# Altium PCB S6 V1.2.PcbDoc (part 2 of 3)
Units mil, origin at the board's own origin, x right, y up, seen from the top; angles counter-clockwise.
Board outline 4627.34 x 3435.24 mil, 4 copper layers (Top, GND, Power, Bottom), stack 65.004 mil thick; 231 components, 249 nets, 1013 pads, 463 vias.
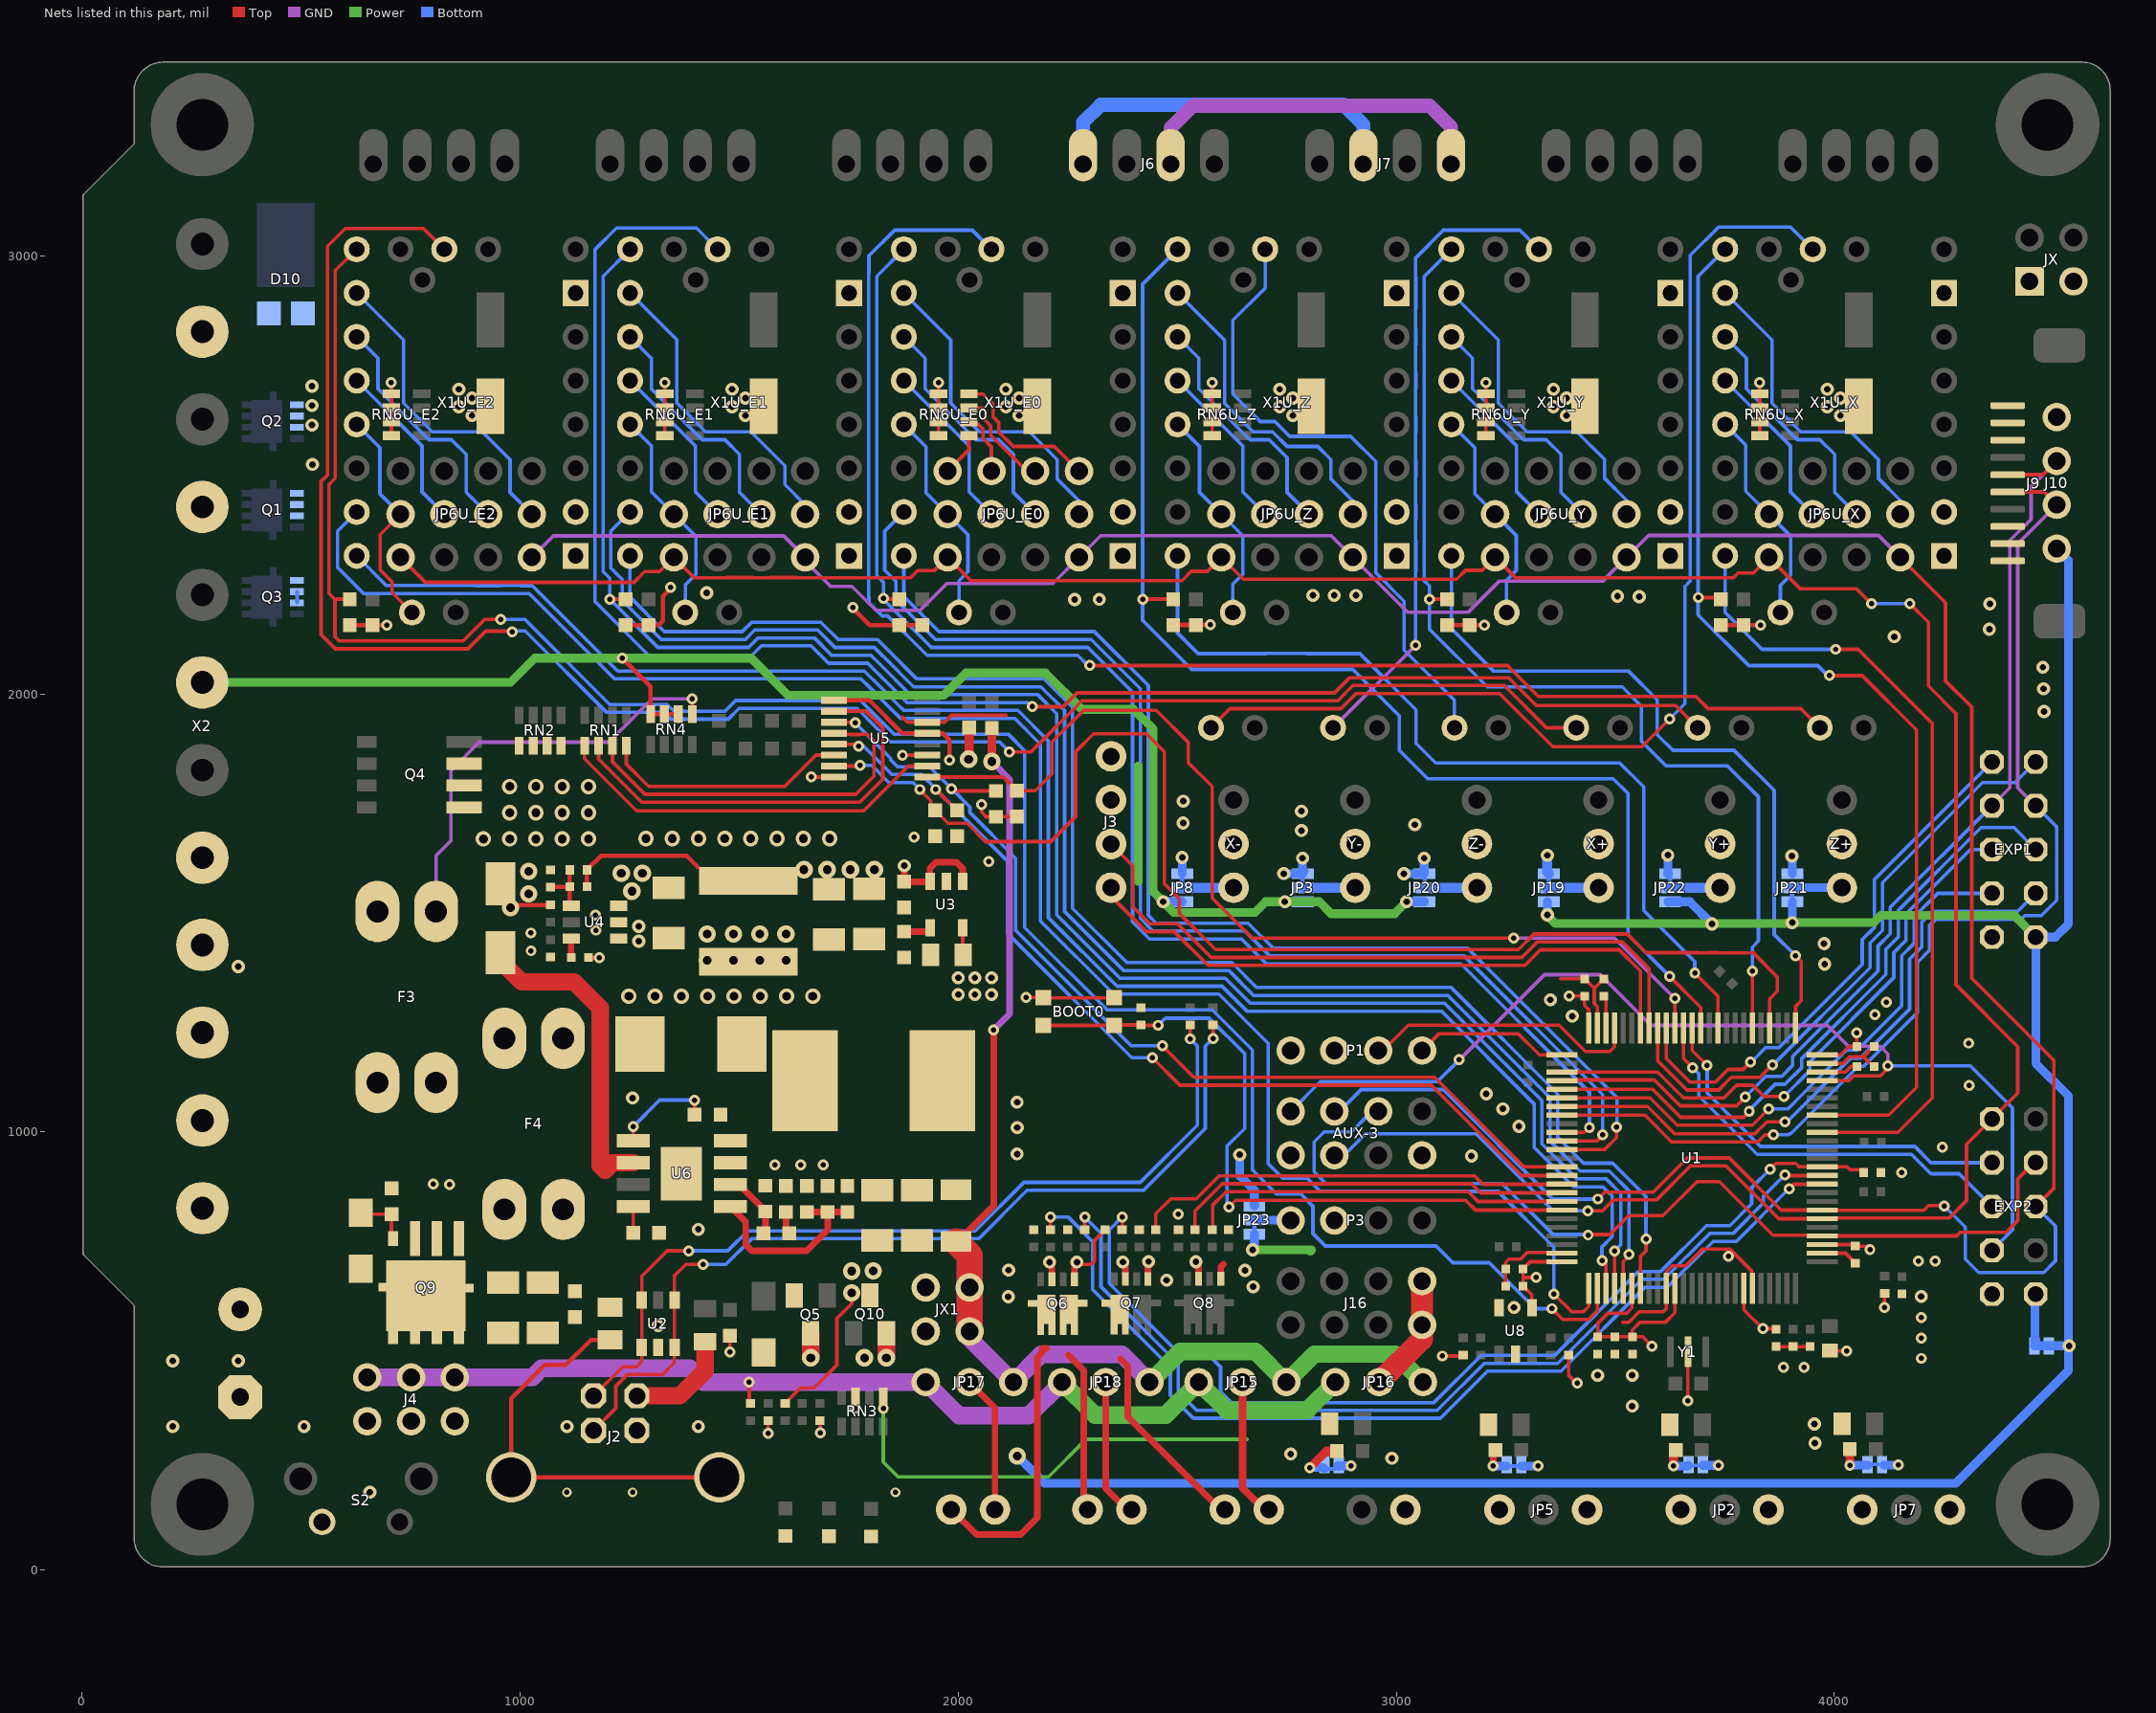
[diagram p4: the nets of this part, all layers, seen from the top]

## Via types
v1: diameter 25, hole 12, Top to Bottom, tented both sides, 192 vias
v2: diameter 30, hole 15, Top to Bottom, tented both sides, 157 vias
v3: diameter 35, hole 20, Top to Bottom, tented both sides, 60 vias
v4: diameter 40, hole 20, Top to Bottom, tented both sides, 31 vias
v5: diameter 40, hole 25, Top to Bottom, tented both sides, 20 vias
v6: diameter 22, hole 12, Top to Bottom, tented both sides, 3 vias

## Nets (pads, with @x,y where several pads share a name; then routed paths per layer and width w, separated by ;. In a path a pad name is that pad's centre, name@x,y a point inside that pad or via, vN(x,y) a via of type N, cw(c..) or ccw(c..) an arc to the next point about the centre after c; other vN are vias at no path point) (continued)
+3.3V: BOOT0.3 BOOT0.4 C5.2 C6.2 C15.2 C18.2 C26.2 C27.2 C29.2 C30.2 C31.2 C43.2 FB1.1 JP2.1 JP3.1 JP3.2 JP5.1 JP7.1 JP8.1 JP8.2 JP11.1 JP11.2 JP12.1 JP12.2 JP13.1 JP13.2 JP14.1 JP14.2 JP19.1 JP19.2 JP20.1 JP20.2 JP21.1 JP22.1 JP22.2 JP23.1 JP23.2 P1.4 P3.4 R1U_E0.2 R1U_E1.2 R1U_E2.2 R1U_X.2 R1U_Y.2 R1U_Z.2 R5.2 R7.1 R10.1 R11.2 R12.2 R13.2 R24U_E0.2 R24U_E1.2 R24U_E2.2 R24U_X.2 R24U_Y.2 R24U_Z.2 R38.2 RN3.5 RN6U_E0.5 RN6U_E0.6 RN6U_E0.7 RN6U_E0.8 RN6U_E1.5 RN6U_E1.6 RN6U_E1.7 RN6U_E1.8 RN6U_E2.5 RN6U_E2.6 RN6U_E2.7 RN6U_E2.8 RN6U_X.5 RN6U_X.6 RN6U_X.7 RN6U_X.8 RN6U_Y.5 RN6U_Y.6 RN6U_Y.7 RN6U_Y.8 RN6U_Z.5 RN6U_Z.6 RN6U_Z.7 RN6U_Z.8 U1.6 U1.11 U1.19 U1.28 U1.50 U1.75 U1.100 U3.5 U5.1 U5.13 U8.4 X1U_E0.10 X1U_E1.10 X1U_E2.10 X1U_X.10 X1U_Y.10 X1U_Z.10 X+.1 X-.1 Y+.1 Y-.1 Z-.1 | length 6710.9
  Top w8: RN6U_E2.8@706,2589.76 RN6U_E2.7@706,2621.25 RN6U_E2.6@706,2653 RN6U_E2.5@706,2685 v1(706,2711) ; RN6U_E1.8@1330,2589.76 RN6U_E1.7@1330,2621.25 RN6U_E1.6@1330,2653 RN6U_E1.5@1330,2685 v1(1330,2711) ; RN6U_E0.8@1955,2589.76 RN6U_E0.7@1955,2621.25 RN6U_E0.6@1955,2653 RN6U_E0.5@1955,2685 v1(1955,2711) ; U3.5@2010.4,1465.85 2010.4,1406 C18.2@2011.4,1405 ; v1(2154.97,1307) 2193.88,1307 BOOT0.3@2194.38,1306.5 BOOT0.4@2355.8,1306.5 ; RN6U_Z.8@2580,2589.76 RN6U_Z.7@2580,2621.25 RN6U_Z.6@2580,2653 RN6U_Z.5@2580,2685 v1(2580,2711) ; R5.2@2864,271.53 R5.2@2864.47,272 ; v1(3105,488.68) 3150.37,488.68 R10.1@3153,491.32 ; RN6U_Y.8@3205,2589.76 RN6U_Y.7@3205,2621.25 RN6U_Y.6@3205,2653 RN6U_Y.5@3205,2685 v1(3205,2711) ; C43.2@3288.68,649 C43.2@3289.68,648 3289.68,667.87 ; C43.2@3291.68,646 3309.93,627.76 U8.4@3309.93,598.82 ; v1(3319.87,667.87) 3289.68,667.87 ; U1.100@3378.39,703.78 3305.72,703.78 C31.2@3289.68,687.74 3289.68,667.87 ; R7.1@3394,490.98 3394,444 v1@3411.39,426.61 ; v1(3394.63,1310.32) C29.2@3430,1310.32 3430,1288.86 3439.41,1279.45 U1.75@3439.41,1237.24 ; U1.6@3537.83,642.76 3537.83,598.21 3525.75,586.13 3482.95,586.13 3460,563.18 C26.2@3460,532.68 C27.2@3499,532.68 C15.2@3539,532.68 ; v1(3584,511) 3562.31,532.68 C15.2@3539,532.68 ; R11.2@3633,268.53 R11.2@3638.47,274 ; U1.11@3636.26,642.76 3636.26,587.47 3614.79,566 3557,566 3539,548 C15.2@3539,532.68 ; U1.19@3793.74,642.76 3793.74,594.26 v1(3837,551) C30.2@3868,551 ; RN6U_X.8@3830,2589.76 RN6U_X.7@3830,2621.25 RN6U_X.6@3830,2653 RN6U_X.5@3830,2685 v1(3830,2711) ; U1.28@3972.87,743.15 C6.2@4045.32,743.15 ; U1.50@3972.87,1176.22 4014.22,1176.22 4033,1195 C5.2@4051.31,1195 v1(4051.31,1227) ; FB1.1@3990,501.44 3991.44,500 v1(4028,500) ; C6.2@4048,739.68 4073.69,739.68 v1(4081.37,732) ; v1(4115,600) R13.2@4115,631.41
  Top w10: R1U_E2.2@611,2157.47 R24U_E2.2@663,2157.47 v1@693.48,2157.47 ; R1U_E1.2@1241,2157.47 R24U_E1.2@1293,2157.47 1316.65,2157.47 1326,2166.83 1326,2223.25 1343.12,2240.37 v1(1343.12,2243.02) ; U5.1@1716.7,1985.5 1797.28,1985.5 1872.28,1910.5 U5.13@1929.3,1910.5 1965.32,1910.5 1980.51,1895.32 v1(1980.51,1849) v1@1980.51,1844 ; v1(1760,2198) 1760,2195 1797.53,2157.47 R1U_E0.2@1866,2157.47 R24U_E0.2@1918,2157.47 ; R24U_Z.2@2543,2157.47 R1U_Z.2@2491,2157.47 2491.53,2158 v1(2576,2158) ; R1U_Y.2@3116,2157.47 R24U_Y.2@3168,2157.47 v1(3201.53,2157.47) ; R1U_X.2@3741,2157.47 R24U_X.2@3793,2157.47 v1(3831.53,2157.47)
  Top w15: v1(3221.31,237.53) 3221.31,268.84 R12.2@3226.47,274
  Top w20: v1(2803,234) 2841,272 R5.2@2864.47,272 ; v1(3633,237.53) R11.2@3633,268.53 ; v1(4035.47,239.53) R38.2@4035.47,276
  Power w8: v1(1829,369.26) 1829,246.8 1862.8,213 2206.46,213 2291.89,298.43 2659.01,298.43
  Power w20: 2411,1572.46 2411,1835.5 ; v2(2672,731) 2800.9,731 2803.9,728 2806.4,730.5
  Bottom w8: JP14.2@2836,231 2859.94,231 2866.94,238 2866.94,233.06 JP14.1@2869,231 ; JP13.2@3252.53,237.53 3270.53,237.53 ; 3271.41,237.53 JP13.1@3285.53,237.53 ; v1@3630,237.53 v1(3633,237.53) ; JP12.2@3667,239 JP12.1@3700,239 ; v1(3736,239) v1@3739,239 ; JP11.2@4077.53,239.53 4079,241 JP11.1@4109,241 4112,241 JP11.1@4113.21,239.79
  Bottom w10: JP8.2@2511.31,1557 2511.31,1557.69 JP8.1@2511.31,1589 ; JP23.1@2676,767 JP23.2@2676,799 ; P3.4@2758,797 P3.4@2759,798 ; JP3.2@2786.8,1557.69 JP3.1@2786.8,1589.69 ; JP20.2@3064.6,1557.69 JP20.1@3064.6,1589.69 ; JP19.2@3348.4,1557.69 JP19.1@3348.4,1589.69 ; JP22.2@3625.2,1557.69 JP22.1@3625.2,1589.69
  Bottom w15: JP8.1@2510.61,1589.69 JP8.1@2511.31,1590.39 ; JP8.1@2511.31,1589 JP8.1@2512,1589.69 ; JP3.1@2787.49,1590.39 JP3.1@2792.11,1595 ; JP20.1@3064,1591.68 JP20.1@3064.6,1591.08
  Bottom w20: JP8.1@2511.31,1590.39 v2@2511.31,1624.09 ; v2(2672,731) 2672,732.5 2676,736.5 JP23.1@2676,767 ; JP23.2@2676,799 2758,799 P3.4@2759,798 ; v2@2741.49,1589.69 JP3.1@2786.8,1589.69 ; JP3.1@2786.11,1590.39 v2@2786.11,1619.26 ; v1(2803,234) 2833,234 JP14.2@2836,231 ; JP14.1@2866.94,238 v1(2897,238) ; v2@3023.6,1589.69 JP20.1@3064.6,1589.69 ; JP20.1@3063.91,1590.39 v2@3063.91,1619.26 ; v1@3227.31,237.53 JP13.2@3252.53,237.53 ; JP13.1@3285.53,237.53 v1(3323.47,237.53) ; v2(3620,1632) 3620,1591.89 3619,1590.89 JP22.1@3620.89,1589 ; v1(3633,237.53) 3665.53,237.53 JP12.2@3667,239 ; JP12.1@3700,239 v1(3736,239) ; v2(3903.38,1630.01) 3904,1629.39 JP21.1@3904,1589.69 ; v1(4035.47,239.53) JP11.2@4077.53,239.53 ; JP11.1@4113.21,239.79 v1(4146,239.79)
  Bottom w23: JP8.2@2509,1557.69 2511.31,1557.69 JP8.2@2512,1557.69 X-.1@2628.74,1557.69 ; JP3.2@2786.8,1557.69 Y-.1@2906.48,1557.69 ; JP20.2@3064.6,1557.69 Z-.1@3184.21,1557.69 ; v2@3342,1631.8 v2@3345,1628.8 ; JP19.2@3342.4,1557.69 JP19.2@3348.4,1557.69 X+.1@3461.95,1557.69 ; v2(3345,1631.8) v2@3345,1628.8 ; JP19.1@3348.4,1589.69 3345,1593.09 v2@3345,1628.8 ; JP22.2@3620.89,1557.69 JP22.2@3625.2,1557.69 Y+.1@3739.69,1557.69
  other v1: 3413.39,426.61 695.48,2157.47
  other v2: 2000.12,1314 2038.12,1314 2076.12,1314 2000.12,1352 2038.12,1352 2076.12,1352 2743,1590 3017.6,1589.69 2786.11,1625.26 3063.91,1625.26 2511.31,1627.09
+5V: AUX-3.1 C17.2 EXP1.1 EXP2.1 J3.3 J9.1 J9.2 J9.3 J10.1 JP4.1 JP4.2 JP19.3 JP21.2 JP21.3 JP22.3 JP23.3 Q5.3 Q10.2 R22.1 RN3.7 U3.1 U3.3 Z+.1 | length 6785.3
  Top w15: v2(1876.79,1607.93) C17.2@1876.79,1571.39 1934.84,1571.39 U3.3@1935.6,1572.15 1935.6,1602.29 1949.31,1616 1996,1616 2010.4,1601.6 U3.1@2010.4,1572.15
  Top w20: v1(1765.25,369) RN3.7@1765.25,397 ; v4(2024,1850.99) 2025.01,1852 R22.1@2025.01,1923.39
  Top w40: v4@1663.35,487.25 Q5.3@1663.35,540.39 ; v4@1836.09,487.56 Q10.2@1836.09,540.69
  Power w20: v2(3345,1496) 3345,1494.09 3363.09,1476 3894,1476 3896,1478 v2(3904,1478) 4089.82,1478 4106.82,1495 4410,1495 EXP1.1@4460,1445
  Bottom w10: JP21.3@3904,1525.69 JP21.2@3904,1557.69
  Bottom w20: v4(2135,260.38) 2197.38,198 4277,198 4535,456 v2@4535,512 ; v2(2643,948.21) 2643,900 2676,867 JP23.3@2676,831 JP23.3@2678,833 ; v2(3345,1496) 3345,1525.29 JP19.3@3345.4,1525.69 ; JP22.3@3620.2,1525.69 JP22.3@3622,1523.89 ; JP22.3@3625.2,1525.69 3670.31,1525.69 v2(3720.88,1475.12) v2@3720.88,1474 ; v2(3904,1478) JP21.3@3904,1525.69 ; JP21.2@3904,1557.69 Z+.1@4017.43,1557.69 ; JP4.1@4457,512 JP4.1@4458,512 ; EXP2.1@4460,630 4458,628 JP4.1@4458,512 ; J10.1@4508,2332 4535,2305 4535,1475 4505,1445 EXP1.1@4460,1445 4460,1156.99 4535,1081.99 v2@4535,512 ; v2(4536.31,512) v2@4535,512 ; JP4.1@4458,512 JP4.2@4490,512 v2@4535,512
  other v4: 1663.35,484.56 1786,484.56 1836.09,484.56
+12V/5A: F1.2 JP15.3 JP16.3 JP17.3 JP18.3 JX1.2 JX1.4 R20.1 | length 2714.5
  Top w15: F1.2@1996.81,748.13 2081,832.32 v1(2081,1233.26)
  Top w20: v4(2077,1846) R20.1@2077,1921.92
  Top w60: F1.2@1995,749.94 1996.81,748.13 2026,718.94 JX1.2@2026,645 JX1.4@2026,545
  GND w15: v4(2077,1846) 2117.7,1805.3 2117.7,1269.96 v1(2081,1233.26)
  GND w40: JX1.4@2026,545 2026,529 JP17.3@2126,429 2189.4,492.4 2373.6,492.4 JP18.3@2437,429
  Power w40: JP18.3@2437,429 2507,499 2679,499 JP15.3@2749,429 2813,493 2997,493 JP16.3@3061,429
+24V: C4.1 C21.2 C22.1 C24.1 D3.1 D6.2 D10.1 J4.1 J4.3 J4.5 JP3.3 JP8.3 JP15.1 JP16.1 JP17.1 JP18.1 JP20.3 Q9.5 Q9.6 Q9.7 Q9.8 R49.2 RN4.6 RN4.7 RN4.8 U6.2 X2.2 X2.4 X2.6 | length 6846.2
  Top w8: v1(1523,429) 1523,383.68 R49.2@1526,380.68
  Top w10: v1(1232.85,2081.89) 1297.76,2016.99 RN4.8@1297.76,1954 RN4.7@1329.25,1954 RN4.6@1361,1954
  Top w40: D3.1@955,1409.26 955,1391 1003,1343 1123,1343 1183,1283 1183,924 1194,913 1211,930 U6.2@1258.54,930
  GND w40: J4.5@651,440 J4.3@751,440 J4.1@851,440 1028,440 1049,461 1387,461 1419,429 v1(1523,429) JP17.1@1926,429 2002,353 2161,353 JP18.1@2237,429
  Power w20: X2.6@274.41,2026.33 977.85,2026.33 1033.41,2081.89 v1(1232.85,2081.89) 1527.58,2081.89 1612.47,1997 1966.66,1997 2017.94,2048.28 2198.95,2048.28 2282.22,1965 2400,1965 2445.21,1919.79 2445.21,1548.49 v2(2468,1525.69) 2492.59,1501.11 2677.41,1501.11 2702,1525.69 v2(2745.8,1525.69) 2824.31,1525.69 2851.5,1498.5 2996.41,1498.5 v2(3023.6,1525.69)
  Power w40: JP18.1@2237,429 2312,354 2474,354 JP15.1@2549,429 2613,365 2797,365 JP16.1@2861,429
  Bottom w20: v2(2468,1525.69) JP8.3@2512,1525.69 ; v2(2745.8,1525.69) JP3.3@2786.8,1525.69 ; v2(3023.6,1525.69) JP20.3@3064.6,1525.69
+24V-BED: F3.2 RN4.5 X2.8 | length 996.4
  Top w8: RN4.5@1393,1954 v1(1393,1988.85) v1@1393,1995.85
  GND w8: F3.2@808,1503.55 808,1631.21 842,1665.21 842,1825.32 906.68,1890 1202.4,1890 1301.25,1988.85 v1(1393,1988.85)
BED: RN1.5 U5.10 | length 903.6
  Top w8: RN1.5@1147,1882 1147,1852.26 1265.94,1733.32 1784.32,1733.32 1886.5,1835.5 U5.10@1929.3,1835.5
BEEP: EXP1.10 U1.66 | length 1235.3
  Top w8: U1.66@3616.57,1237.24 3616.57,1168.15 3670.72,1114 3728.54,1114 3757.54,1143 3792,1143 v1(3809,1160)
  Bottom w8: v1(3809,1160) 3811,1160 3844,1193 3874.57,1193 4064,1382.43 4064,1439.54 4092,1467.54 4092,1577 EXP1.10@4360,1845
BOOT0: BOOT0.1 BOOT0.2 R33.2 U1.94 | length 1644.6
  Top w8: BOOT0.1@2194.38,1243.5 BOOT0.2@2355.8,1243.5 2356.73,1244.43 R33.2@2417.38,1244.43 2418.31,1243.5 v1(2456.15,1243.5) ; v1(2618,829.28) 2633.2,844.48 3158.45,844.48 3181.04,821.89 U1.94@3378.39,821.89
  Bottom w8: v1(2456.15,1243.5) 2472.65,1260 2572.75,1260 2654,1178.75 2654,1008.24 2614,968.24 2614,833.28 v1(2618,829.28)
CD: AUX-3.2 EXP2.4 U1.47 | length 2426
  Top w8: U1.47@3972.87,1117.17 4033.17,1117.17 4044.16,1128.16 4105.5,1128.16 4122.43,1145.08 v1(4122.43,1151)
  GND w8: v1(3144,1165) 3338.39,1359.39 3465.93,1359.39 3581.83,1243.5 3984.5,1243.5 4032,1196 4105.16,1196 4122.43,1178.74 v1(4122.43,1151)
  Bottom w8: AUX-3.2@2759,1047 2827,1115 3094,1115 v1(3144,1165) ; v1@4127.43,1151 4310.92,1151 4406.77,1055.15 4406.77,776.77 EXP2.4@4360,730
CFG0U_E0: JP1U_E0.1 JP6U_E0.4 X1U_E0.5 | length 498.4
  Bottom w8: X1U_E0.5@1875.9,2615.32 1927,2564.22 1927,2459.22 JP6U_E0.4@1975.9,2410.32 2022.38,2363.84 2022.38,2279.38 2002,2259 JP1U_E0.1@2002,2186
CFG0U_E1: JP1U_E1.1 JP6U_E1.4 X1U_E1.5 | length 501.4
  Bottom w8: X1U_E1.5@1250.9,2615.32 1300,2566.22 1300,2461.22 JP6U_E1.4@1350.9,2410.32 1401,2360.22 1401,2272.82 1377,2248.82 JP1U_E1.1@1377,2186
CFG0U_E2: JP1U_E2.1 JP6U_E2.4 X1U_E2.5 | length 532.1
  Top w8: JP6U_E2.4@726.9,2410.32 680.42,2363.84 680.42,2283.27 707.65,2256.04 707.65,2231.35 747,2192 759,2192 JP1U_E2.1@753,2186
  Bottom w8: X1U_E2.5@626.9,2615.32 680,2562.22 680,2457.22 JP6U_E2.4@726.9,2410.32
CFG0U_X: JP1U_X.1 JP6U_X.4 X1U_X.5 | length 500.8
  Bottom w8: X1U_X.5@3750.9,2615.32 3798,2568.22 3798,2463.22 JP6U_X.4@3850.9,2410.32 3900.22,2361 3900.22,2270.84 3877,2247.62 JP1U_X.1@3877,2186
CFG0U_Y: JP1U_Y.1 JP6U_Y.4 X1U_Y.5 | length 499.8
  Bottom w8: X1U_Y.5@3125.9,2615.32 3179.42,2561.8 3179.42,2456.8 JP6U_Y.4@3225.9,2410.32 3274,2362.22 3274,2282 3252,2260 JP1U_Y.1@3252,2186
CFG0U_Z: JP1U_Z.1 JP6U_Z.4 X1U_Z.5 | length 500.6
  Bottom w8: X1U_Z.5@2500.9,2615.32 2551,2565.22 2551,2460.22 JP6U_Z.4@2600.9,2410.32 2650,2361.22 2650,2273.54 2627,2250.54 JP1U_Z.1@2627,2186
D9/TX1: J3.2 U1.68 | length 1566.4
  Top w8: J3.2@2349,1657.69 2398.76,1607.93 2398.76,1514.1 2437.17,1475.69 2500.68,1475.69 2577.87,1398.5 3286.43,1398.5 3321.93,1434 3516.4,1434 3577.2,1373.2 U1.68@3577.2,1237.24
D10/RX1: J3.1 U1.69 | length 1458.2
  Top w8: J3.1@2349,1557.69 2349,1538.41 2429.71,1457.69 2493.22,1457.69 2570.42,1380.5 3293.89,1380.5 3329.39,1416 3508.95,1416 3557.52,1367.43 U1.69@3557.52,1237.24
D13/SWDIO: P1.2 U1.72 | length 639.8
  Top w8: P1.2@2959,1175 3028,1244 3372,1244 3432,1184 3487.57,1184 3498.46,1194.9 U1.72@3498.46,1237.24
D14/SWCLK: P1.1 U1.76 | length 354.9
  Top w8: P1.1@3059,1186 3097,1224 3279.09,1224 3326.87,1176.22 U1.76@3378.39,1176.22
D53: AUX-3.6 EXP2.7 U1.29 | length 2171.9
  Top w8: v1@3442,766 3487.89,766 3530.89,809 3608.99,809 3686.79,886.79 3737.68,886.79 3859.96,764.52 3971.19,764.52 U1.29@3972.87,762.83 4278.83,762.83 4287,771 4392,771 4419,798 4419,893 4456,930 EXP2.7@4460,930
  Bottom w8: AUX-3.6@2959,1036 2933.19,1036 2897.65,1000.46 2835.46,1000.46 2812.52,977.52 2812.52,909.48 2839.48,882.52 3241.48,882.52 3358,766 v1@3442,766
  other v1: 3438,765
D+: J2.3 R16.1 U2.3 U2.4 | length 2071.6
  Top w8: J2.3@1167.56,318.85 1218.36,369.65 1218.36,419.81 1244.85,446.3 1324.66,446.3 1352.4,474.04 U2.3@1352.4,508.12 U2.4@1352.4,616.39 1352.4,672.11 1378.14,697.85 v1(1417.86,697.85) ; v1(2581.69,1213.58) R16.1@2581.69,1244.9
  Bottom w8: v1(1417.86,697.85) 1469.85,697.85 1528.49,756.49 2046.81,756.49 2157.32,867 2423.06,867 2564.25,1008.19 2564.25,1196.14 v1(2581.69,1213.58)
D-: J2.2 R15.1 U2.1 U2.6 | length 1983.9
  Top w8: J2.2@1167.56,397.85 1234.01,464.3 1265.71,464.3 1277.6,476.19 U2.1@1277.6,508.12 U2.6@1277.6,616.39 1277.6,670.78 1335.62,728.8 v1(1384.6,728.8) ; v1(2529.84,1212.84) R15.1@2529.84,1244.16
  Bottom w8: v1(1384.6,728.8) 1473.98,728.8 1519.66,774.49 2039.36,774.49 2149.87,885 2415.61,885 2546.25,1015.64 2546.25,1196.43 v1(2529.84,1212.84)
DC5V: C9.1 C12.1 C16.1 L1.2 Q10.3 R9.1 R46.2 | length 649.4
  Top w8: R46.2@1604.9,380.84 1640.06,416 1671,416 1723,468 1723,574.5 1757,608.5 v4(1757,633)
  Top w10: C9.1@1152.68,1560 R9.1@1152.68,1598.68 1185,1631 1380,1631 1406,1605
  other v4: 1757,682.57 1806,683 1647.9,1599 1700.9,1599 1753.9,1599 1808.9,1599
DIAG1U_E0: J21.1 X1U_E0.19 | length 3405.6
  Top w8: v1(2300,2065) 2304.69,2065 2307.69,2062 2310.69,2065 3254,2065 3324.37,1994.63 3683.9,1994.63 3712,1966.53 3806.21,1966.53 ; 3806.23,1966.5 3923.5,1966.5 J21.1@3967,1923
  Bottom w8: X1U_E0.19@2075.9,3015.32 2032.18,3059.03 1855.03,3059.03 1796.18,3000.18 1796.18,2961.06 1796,2960.87 1796,2221.19 1796.18,2221.01 1796.18,2208.52 1826.23,2178.47 1838.72,2178.47 1928.72,2088.47 2273.22,2088.47 2296.69,2065 v1(2300,2065)
DIAG1U_E1: J22.1 X1U_E1.19 | length 3834.1
  Top w8: v1(2169,1971) 2239.36,1971 2239.61,1970.75 2271.39,2002.53 2859.03,2002.53 2893.84,2037.34 3256.21,2037.34 3319.54,1974 3637.18,1974 J22.1@3688.18,1923
  Bottom w8: X1U_E1.19@1450.9,3015.32 1402.22,3064 1220,3064 1171.18,3015.18 1171.18,2210.69 1293.4,2088.47 1529.23,2088.47 1550.75,2110 1664.18,2110 1703.7,2070.47 1793.25,2070.47 1813.22,2050.5 ; 1813.26,2050.5 1881.5,1982.26 1883.25,1980.47 2159.53,1980.47 v1(2169,1971) v1@2169.25,1970.75
DIAG1U_E2: J23.1 X1U_E2.19 | length 4326.8
  Top w8: X1U_E2.19@826.9,3015.32 779.4,3062.82 600.82,3062.82 560,3022 560,2499.82 545.5,2485.32 545.5,2135.96 578.46,2103 881,2103 921.5,2143.5 978.93,2143.5 v1@979.43,2144 ; v1(2117,1868.07) 2166.24,1868.07 2282.7,1984.53 2866.48,1984.53 2901.29,2019.34 3246.66,2019.34 3343,1923 J23.1@3411,1923
  Bottom w8: v1@981.43,2144 1011.54,2144 1197.54,1958 1328.46,1958 1343.96,1942.5 1474.96,1942.5 1499.46,1967 1769.44,1967 1775.94,1960.5 ; 1775.98,1960.5 1791.5,1944.98 ; 1791.5,1944.94 1845.97,1890.47 2094.6,1890.47 v1(2117,1868.07)
  other v1: 981.43,2142
DIAG1U_X: J18.1 X1U_X.19 | length 2561.7
  Top w8: J18.1@2577,1923 2620.53,1966.53 2873.94,1966.53 2908.75,2001.34 3235.52,2001.34 3357.38,1879.47 3560.7,1879.47 v1(3624.22,1943)
  Bottom w8: v1(3624.22,1943) 3659,1977.78 3659,2245.82 3671.18,2258 3671.18,3001.24 3735.94,3066 3900.22,3066 X1U_X.19@3950.9,3015.32
DIAG1U_Y: J20.1 X1U_Y.19 | length 1477.4
  GND w8: J20.1@2856,1923 v1(3044.47,2111.47)
  Bottom w8: v1(3044.47,2111.47) 3044.47,2279.65 3044.62,2279.8 3044.62,2350.83 3044.47,2350.98 3044.47,2397.06 3044.62,2397.21 3044.62,2433.42 3044.47,2433.58 3044.47,2497.06 3044.62,2497.21 3044.62,2533.42 3044.47,2533.58 3044.47,2597.06 3044.62,2597.21 3044.62,2633.42 3044.47,2633.58 3044.47,2697.06 3044.62,2697.21 3044.62,2733.42 3044.47,2733.58 3044.47,2797.06 3044.62,2797.21 3044.62,2833.42 3044.47,2833.58 3044.47,2879.65 3044.62,2879.8 3044.62,2950.83 3044.47,2950.98 3044.47,2995.71 3107.79,3059.03 3282.18,3059.03 X1U_Y.19@3325.9,3015.32
DIAG1U_Z: J19.1 X1U_Z.19 | length 1433.4
  Bottom w8: X1U_Z.19@2700.9,3015.32 2700.9,2926.9 2627,2853 2627,2684.63 2689.63,2622 2723,2622 2757,2588 2895.9,2588 2953.4,2530.5 2953.4,2276.6 3017.97,2212.03 3017.97,2100.49 3133,1985.46 J19.1@3133,1923
DIRU_E0: U1.87 X1U_E0.8 | length 2728.1
  Top w8: U1.87@3378.39,959.69 3475.16,959.69 3503,987.52 v1@3503,1008
  Bottom w8: X1U_E0.8@1875.9,2315.32 1875.9,2222.62 1956.05,2142.47 2310.92,2142.47 2434,2019.39 2434,1494.92 2452.04,1476.88 2662.12,1476.88 2719.01,1420 3162.67,1420 3504,1078.67 v1@3504,1009
  other v1: 3503,1011
DIRU_E1: U1.7 X1U_E1.8 | length 3540.7
  Top w8: U1.7@3557.52,642.76 3557.52,715.97 3570.25,728.69 v1(3570.25,756)
  Bottom w8: X1U_E1.8@1250.9,2315.32 1250.9,2221.01 1329.44,2142.47 1506.86,2142.47 1528.39,2164 1686.54,2164 1726.07,2124.47 1815.65,2124.47 1818.66,2121.46 1835.59,2104.5 ; 1835.62,2104.5 1905.65,2034.47 2196.62,2034.47 2261,1970.09 2261,1510.62 2384.73,1386.88 2624.84,1386.88 2681.73,1330 3125.39,1330 3368.74,1086.65 3368.74,987.91 3427.65,929 3494.25,929 3570.25,853 v1(3570.25,756)
DIRU_E2: U1.3 X1U_E2.8 | length 3990.3
  Top w8: v1(3469.78,707.03) 3478.78,698.03 U1.3@3478.78,642.76
  Bottom w8: X1U_E2.8@626.9,2315.32 694.69,2247.53 900.08,2247.53 900.19,2247.41 953.61,2247.41 953.73,2247.53 1000.08,2247.53 1000.19,2247.41 1028.04,2247.41 1222.98,2052.47 1785.79,2052.47 1805.77,2032.5 ; 1805.8,2032.5 1863.5,1974.8 ; 1863.5,1974.77 1875.79,1962.47 2136.44,1962.47 2206,1892.91 2206,1489.25 2362.37,1332.88 2602.48,1332.88 2659.36,1276 3103.02,1276 3314.74,1064.28 3314.74,965.54 3405.28,875 3471.88,875 3493,853.88 3493,761 3469.78,737.78 v1(3469.78,707.03)
DIRU_X: U1.41 X1U_X.8 | length 1845.9
  Top w8: U1.41@3972.87,999.06 4145.06,999.06 4224,1078 4224,1932.82 4054.82,2102 v1(4003,2102)
  Bottom w8: X1U_X.8@3750.9,2315.32 3750.9,2186.1 3835,2102 v1(4003,2102)
DIRU_Y: U1.51 X1U_Y.8 | length 1676.5
  Top w8: U1.51@3911.85,1237.24 3911.85,1287.01 3924.61,1299.77 3924.61,1389.39 v1(3911.85,1402.15)